# Altium PCB H-Watch.PcbDoc (part 2 of 2)
Units mm, origin at the board's own origin, x right, y up, seen from the top; angles counter-clockwise.
Board outline 36.07 x 35.94 mm, 6 copper layers (Top Layer, Int1 (GND), Int2 (Sign), Int3 (GND), Int4 (PWR), Bottom Layer), stack 0.734 mm thick; 123 components, 87 nets, 877 pads, 180 vias.
Unrouted connection lines stored in the file: 51.
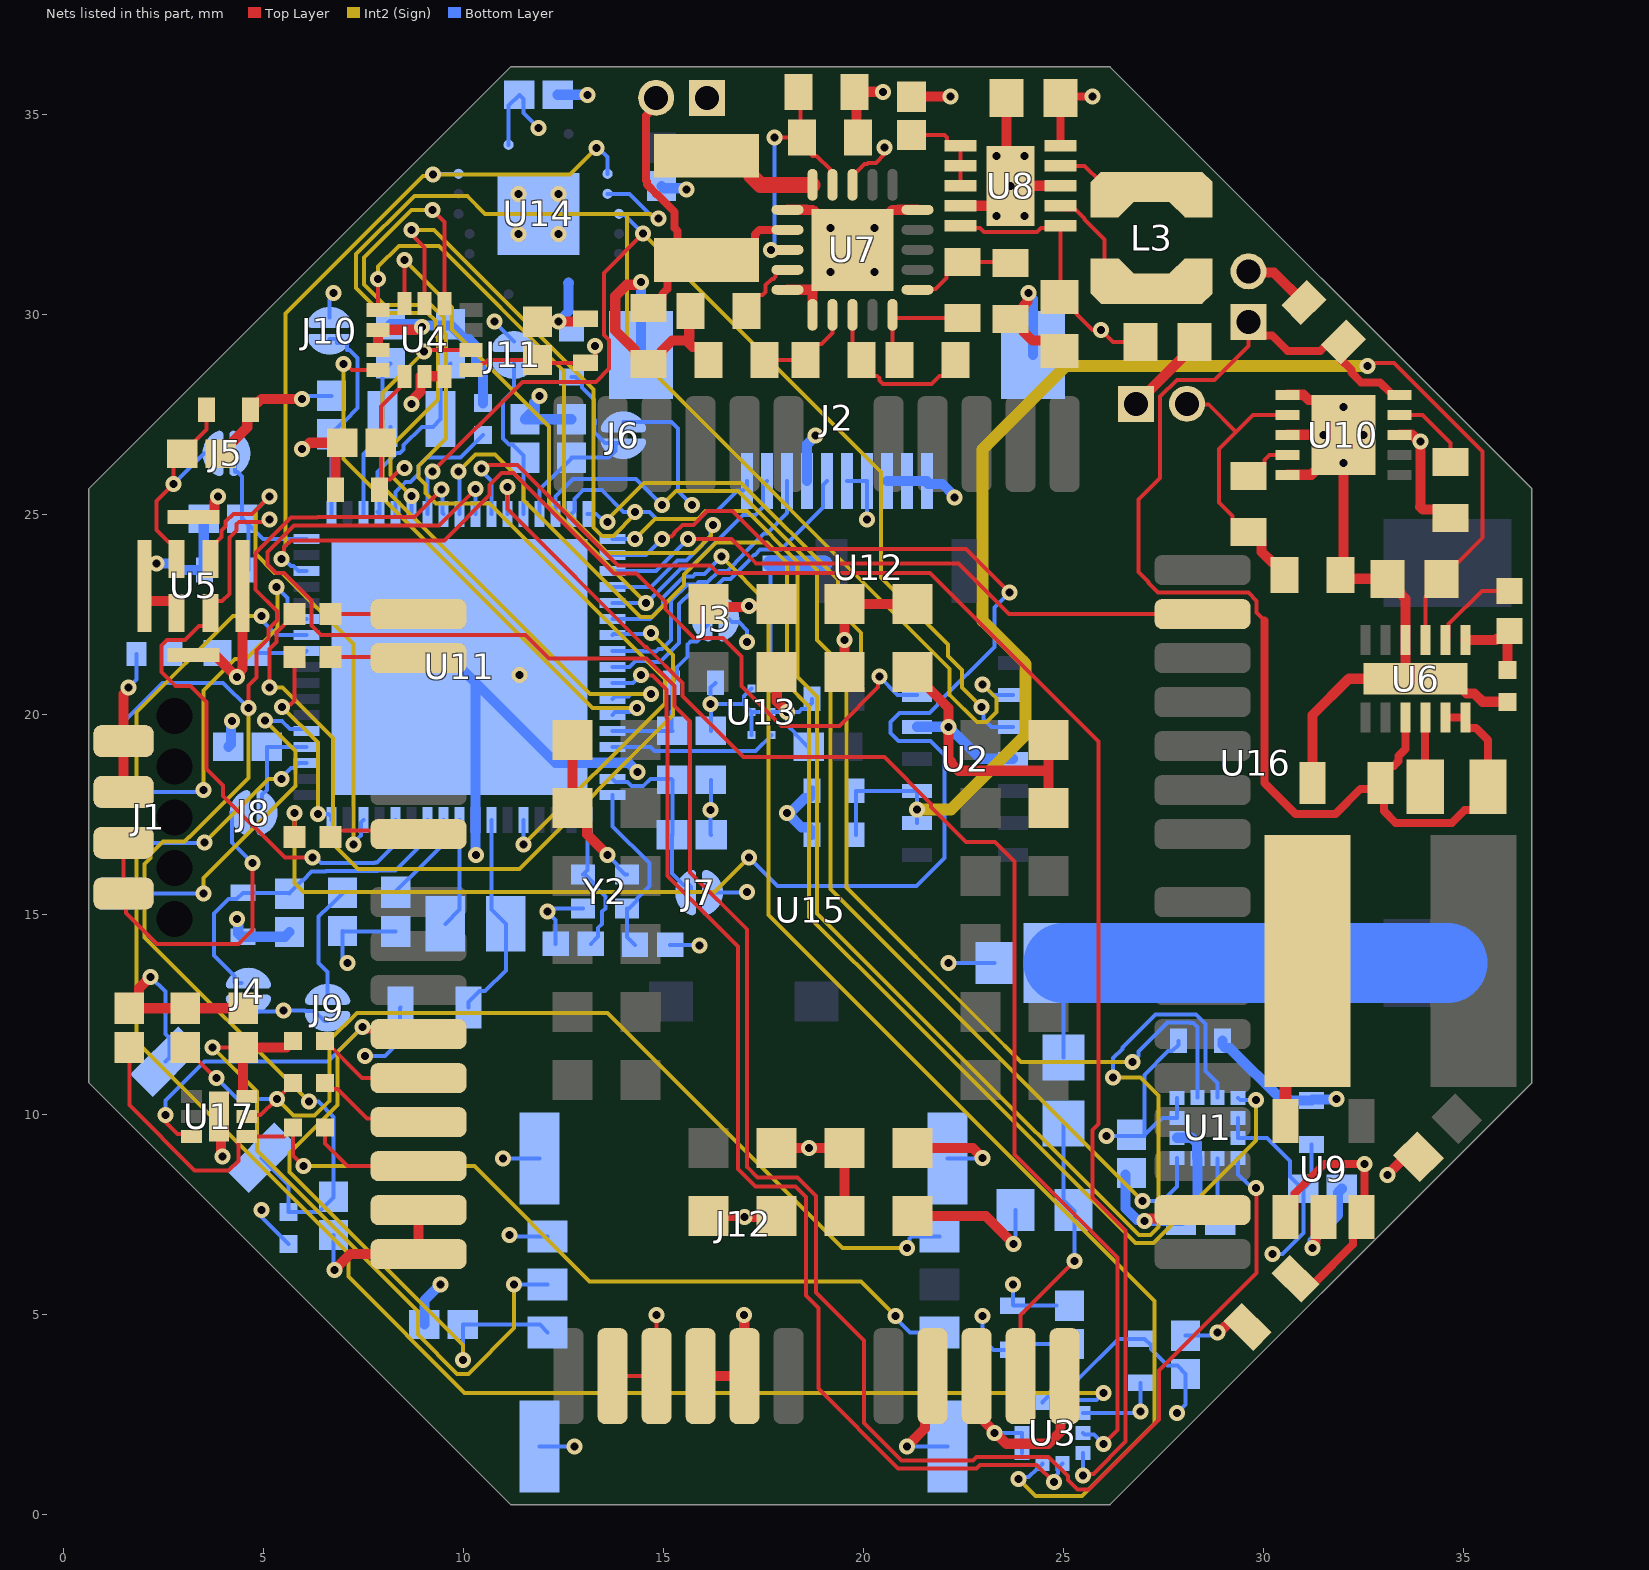
[diagram p6: the nets of this part, all layers, seen from the top]

## Via types
v1: diameter 0.4, hole 0.2, Top Layer to Bottom Layer, tented both sides, 166 vias
v2: diameter 0.5, hole 0.2, Top Layer to Bottom Layer, tented both sides, 8 vias
v3: diameter 0.45, hole 0.2, Top Layer to Bottom Layer, tented both sides, 5 vias
v4: diameter 0.4, hole 0.2, Top Layer to Bottom Layer, 1 vias

## Nets (pads, with @x,y where several pads share a name; then routed paths per layer and width w, separated by ;. In a path a pad name is that pad's centre, name@x,y a point inside that pad or via, vN(x,y) a via of type N, cw(c..) or ccw(c..) an arc to the next point about the centre after c; other vN are vias at no path point) (continued)
3V3: C3.2 C4.2 C5.2 C6.2 C10.2 C11.2 C12.2 C13.2 C14.2 C15.2 C16.2 C17.2 C18.2 C19.2 C28.2 C29.2 C36.2 J1.5 J1.6 J2.6 J2.7 J3.2 J4.2 J5.2 J6.2 J7.2 J8.2 J9.2 J10.2 J11.2 R10.2 U1.2 U1.3 U1.9 U1.10 U3.1 U3.10 U4.5 U4.8 U5.1 U8.1 U8.10 U14.14 U15.45 U15.46 | length 66.6
  Top Layer w0.1: J1.6@1.5,16.8 J1.5@1.5,15.53 1.561,15.469 1.561,15.039 2.331,14.269 4.369,14.269 4.725,14.625 v1(4.725,16.289) ; U5.1@2.825,23.9 2.825,24.175 2.675,24.325 2.625,24.325 2.325,24.625 2.325,25.345 v1(2.75,25.77) 2.75,26.305 C19.2@2.97,26.525 2.99,26.525 3.3,26.835 3.3,26.855 3.575,27.13 C18.2@3.575,27.625 ; C16.2@7.93,25.655 C16.2@7.93,25.755 ; v1(8.523,26.17) 8.445,26.17 8.16,25.885 8.06,25.885 C16.2@7.93,25.755 ; U4.5@8.525,28.463 8.4,28.337 8.4,28.175 7.93,27.705 C17.2@7.93,26.8 C16.2@7.93,25.755 ; U4.8@10.188,28.625 10.3,28.625 10.475,28.8 10.537,28.8 10.607,28.87 C15.2@11.85,28.87 11.92,28.8 13.129,28.8 13.289,28.96 v1(13.289,29.225) ; U15.45@13.725,3.469 U15.46@14.825,3.469 v1(14.825,5) ; U8.10@22.425,32.225 22.479,32.171 22.916,32.171 23.013,32.075 24.337,32.075 24.434,32.171 24.871,32.171 U8.1@24.925,32.225 24.925,30.475 C28.2@24.9,30.45 24.95,30.45 25.325,30.075 25.325,30.025 25.725,29.625 v1(25.932,29.625) 26.232,29.325 C29.2@26.925,29.325
  Bottom Layer w0.1: v1(2.75,25.77) 3.514,26.534 J5.2@3.735,26.534 J5.2@3.737,26.534 J5.2@3.742,26.534 J5.2@3.747,26.534 J5.2@3.752,26.534 J5.2@3.76,26.534 J5.2@3.765,26.534 J5.2@3.772,26.534 J5.2@3.785,26.534 J5.2@3.797,26.534 J5.2@3.81,26.534 J5.2@3.822,26.534 J5.2@3.835,26.534 J5.2@3.847,26.534 J5.2@3.86,26.534 ; J8.2@4.213,17.55 4.213,16.801 v1(4.725,16.289) ; J4.2@4.6,12.588 5.482,12.588 v1(5.5,12.605) 6.036,12.605 6.041,12.6 6.265,12.6 6.52,12.345 J9.2@6.6,12.345 ; v1(4.952,7.625) 4.952,7.448 R10.2@5.625,6.775 ; J10.2@6.65,29.937 6.65,30.369 6.75,30.469 v1(6.75,30.55) ; v1(10.775,29.83) 10.76,29.83 J11.2@11.257,29.333 ; U14.14@11.125,34.25 11.125,35.23 C36.2@11.395,35.5 11.501,35.394 11.501,35.049 v1(11.875,34.675) ; J6.2@13.998,27.325 15.2,27.325 15.362,27.163 15.362,25.6 v1(15.712,25.25) ; J7.2@16.225,15.554 17.079,15.554 v1(17.089,15.564) ; J3.2@16.632,22.4 16.714,22.319 16.881,22.319 17.089,22.111 v1(17.089,21.823) ; J2.6@19.589,25.845 J2.7@20.089,25.845 v1(20.089,24.882) ; v1(22.975,4.969) 22.975,4.4 23.25,4.125 C10.2@23.725,4.125 ; U3.10@23.991,2.579 U3.10@23.962,2.55 23.962,3.965 23.803,4.125 C10.2@23.725,4.125 ; U3.1@24.475,2.813 24.475,2.825 24.65,3 24.65,3.062 24.955,3.367 25.342,3.367 26.375,4.4 C12.2@26.925,4.4 27.025,4.4 27.185,4.24 27.185,4.14 27.599,3.726 27.844,3.726 C13.2@28.05,3.52 28.05,2.762 v1(27.837,2.55) ; C11.2@24.825,4.25 24.825,4.27 23.87,4.27 C10.2@23.725,4.125 ; v1(26.075,9.475) 27.02,9.475 27.025,9.48 C6.2@27.025,9.5 ; U1.10@27.837,10.425 U1.9@27.837,9.925 27.47,9.925 27.355,9.81 27.335,9.81 C6.2@27.025,9.5 ; C3.2@27.875,11.85 27.875,11.75 27.715,11.59 27.615,11.59 27.025,11 C6.2@27.025,9.5 ; U1.2@29.362,9.925 U1.3@29.362,9.425 30.085,9.425 30.665,8.845 30.665,8.46 30.975,8.15 C4.2@30.995,8.15 ; v1(30.226,6.525) 30.477,6.525 30.995,7.043 C4.2@30.995,8.15 ; C5.2@31.2,9.26 31.2,8.355 C4.2@30.995,8.15
5V: C8.2 C9.2 C23.2 U2.9 U2.10 U6.9 | length 34.1
  Top Layer w0.1: v1(32.595,28.72) 32.652,28.777 32.781,28.777 32.804,28.8 33.263,28.8 35.476,26.587 35.476,24.426 34.875,23.825 34.825,23.825 34.45,23.45 C23.2@34.45,23.4 34.45,23.35 34.05,22.95 U6.9@34.05,21.87
  Int2 (Sign) w0.3: v1(21.339,17.63) 22.182,17.63 24.05,19.498 24.05,21.276 22.975,22.351 22.975,26.645 25.05,28.72 v1(32.595,28.72)
  Bottom Layer w0.1: C9.2@19.814,17 C8.2@19.814,18.1 U2.10@21.339,18.1 v1(21.339,17.63) U2.9@21.339,17.3
DISP_CS: J2.3 U11.25 | length 7.2
  Bottom Layer w0.1: U11.25@13.725,21.6 14.489,21.6 14.502,21.588 14.815,21.588 14.877,21.65 14.957,21.65 15.18,21.873 15.18,22.638 15.189,22.647 15.189,22.852 15.598,23.262 15.818,23.262 15.874,23.319 16.101,23.319 16.382,23.6 16.595,23.6 17,24.005 17,24.024 17.509,24.533 17.58,24.533 18.089,25.042 J2.3@18.089,25.845
DISP_ON/OFF: J2.5 U11.26 | length 8.2
  Bottom Layer w0.1: U11.26@13.725,21.2 14.152,21.2 14.294,21.342 14.584,21.342 14.6,21.325 14.915,21.325 15.38,21.79 15.38,22.455 15.389,22.464 15.389,22.77 15.681,23.062 15.936,23.062 15.993,23.119 16.216,23.119 16.497,23.4 16.677,23.4 17.2,23.922 17.2,23.941 17.258,24 17.28,24 17.408,24.128 17.938,24.128 18.989,25.18 18.989,25.745 J2.5@19.089,25.845
GND: C1.1 C2.1 C3.1 C4.1 C5.1 C6.1 C7.1 C8.1 C9.1 C10.1 C11.1 C12.1 C13.1 C14.1 C15.1 C16.1 C17.1 C18.1 C19.1 C20.1 C21.2 C22.2 C23.1 C24.1 C25.1 C26.1 C27.1 C28.1 C29.1 C30.1 C31.1 C32.1 C33.1 C34.1 C35.1 C36.1 C37.1 C38.2 C39.1 C40.1 C41.1 C42.1 C43.1 C44.1 C45.1 C46.1 C47.1 C48.1 C49.1 C50.1 C51.1 C52.1 C53.1 C54.1 C55.1 C56.1 C57.1 C58.1 C59.1 C60.1 C61.1 C62.1 D1.1 J1.7 J1.8 J2.4 J2.8 J2.9 J2.10 J2.MP1 J2.MP2 J12.G1 J12.G2 J12.G3 J12.G4 J12.S4 R2.1 R6.1 R7.1 R9.2 R12.1 SW1.2 U1.6 U1.8 U2.4 U2.12 U3.3 U3.8 U3.9 U4.2 U4.3 U4.6 U4.7 U5.2 U5.5 U6.10 U6.13 U7.1 U7.5 U7.6 U7.15 U7.21 U8.3 U8.9 U8.11 U9.2 U10.1 U10.3 U10.5 U10.8 U10.11 U11.32 U11.42 U11.69 U13.2 U13.3 U13.4 U13.6 U14.7 U14.15 U15.2 U15.42 U15.43 U15.47 U15.48 U15.51 U15.52 U15.54 U15.59 U15.60 U15.61 U15.62 U15.63 U15.64 U15.65 U15.66 U15.71 U15.72 U15.73 U15.74 U15.81 U15.82 U15.83 U15.92 U15.93 U15.94 U17.7 X1.1 X2.1 X3.2 Y2.2 Y2.4 | length 192.8
  Top Layer w0.254: J1.7@1.5,18.07 J1.8@1.5,19.34 1.5,20.516 1.625,20.641 v1(1.625,20.68) ; v1(2.175,13.45) 1.886,13.161 1.886,12.908 C60.1@1.643,12.665 C62.1@4.488,12.665 ; v1(2.325,23.778) 2.073,23.778 2.025,23.73 U5.5@2.025,23.225 2.025,22.888 2.073,22.84 2.752,22.84 2.825,22.767 U5.2@2.825,22.55 ; U5.5@3.25,21.5 3.298,21.452 3.825,21.452 v1@4.325,20.952 ; U5.5@3.25,24.95 3.725,24.95 3.773,24.998 3.773,25.316 3.829,25.372 3.829,25.429 v1(3.857,25.457) ; U17.7@3.888,9.957 3.938,9.906 3.938,9.032 3.977,8.993 v1(3.977,8.954) ; C19.1@3.93,26.525 3.95,26.525 4.183,26.758 4.183,26.778 4.592,27.187 4.592,27.542 C18.1@4.675,27.625 4.675,27.725 4.758,27.808 4.858,27.808 4.945,27.895 v1(5.96,27.895) ; v1(4.34,20.946) 4.331,20.946 v1@4.325,20.952 ; U5.5@4.475,23.225 4.475,21.142 4.325,20.992 v1@4.325,20.952 ; v1(5.96,26.65) 6,26.65 6.149,26.8 C17.1@6.97,26.8 6.8,26.63 C16.1@6.8,25.625 ; v1(6.775,6.125) 7.169,6.519 U15.43@8.875,6.519 U15.42@8.875,7.619 ; U4.3@7.863,29.125 U4.2@7.863,29.625 8.844,29.625 8.919,29.7 v1(8.959,29.7) ; v1(8.7,27.775) 8.7,27.815 8.773,27.888 8.773,27.927 8.927,28.081 8.927,28.463 U4.6@9.025,28.463 U4.7@9.525,28.463 ; C15.1@11.85,29.83 v1(12.375,29.83) 12.98,29.83 C14.1@13.05,29.9 ; U15.65@12.725,19.369 U15.66@12.725,17.669 13.093,17.301 13.093,17.007 v1(13.6,16.5) ; v1(14.439,30.825) 14.399,30.825 14.326,30.752 14.081,30.752 13.791,30.462 13.791,29.609 14.302,29.098 14.302,28.998 14.525,28.775 C24.1@14.625,28.775 14.725,28.775 14.948,28.998 14.948,29.091 15.21,29.353 15.575,29.353 ; C25.1@15.675,30.1 15.64,30.065 15.64,29.418 15.575,29.353 ; U15.47@15.925,3.469 U15.48@17.025,3.469 17.015,3.479 17.015,4.99 v1(17.006,5) ; U15.71@16.125,7.469 17.006,7.469 v1(17.025,7.45) 17.806,7.45 U15.72@17.825,7.469 ; U15.64@16.125,22.769 16.203,22.691 17.114,22.691 v1(17.138,22.715) 17.771,22.715 U15.63@17.825,22.769 ; R6.1@16.125,28.875 16.125,28.975 15.902,29.198 15.73,29.198 15.575,29.353 ; U15.92@17.825,9.169 v1(18.64,9.169) 19.376,9.169 19.525,9.02 U15.73@19.525,7.469 ; U15.83@17.825,21.069 17.827,21.067 17.827,20.337 v1(18.089,20.075) ; U7.5@18.1,30.625 U7.21@18.725,30.625 ; U7.1@18.1,32.625 18.577,32.625 18.579,32.623 18.727,32.623 v2(19.175,32.175) U7.21@19.725,31.625 20.723,32.623 20.871,32.623 20.873,32.625 U7.15@21.35,32.625 ; U7.6@18.725,30 U7.21@18.725,30.625 ; v2(19.175,31.075) U7.21@18.725,30.625 ; U15.82@19.525,21.069 v1(19.525,21.87) U15.62@19.525,22.769 U15.61@21.225,22.769 ; C22.2@19.825,34.375 19.825,35.525 C21.2@19.775,35.575 v1(20.488,35.575) ; v1(21.089,1.712) 21.537,2.161 21.537,3.281 U15.51@21.725,3.469 ; C27.1@21.2,35.455 v1(22.174,35.455) ; U15.74@21.225,7.469 23.054,7.469 v1(23.748,6.775) ; U15.94@21.225,9.169 22.731,9.169 v1(22.975,8.925) ; U15.81@21.225,21.069 22.125,20.169 v1(22.125,19.7) 22.125,18.895 22.198,18.822 22.198,18.775 22.373,18.6 24.625,18.6 ; U8.9@22.425,32.725 23.202,32.725 23.675,33.198 v3(23.675,33.225) ; U15.52@22.825,3.469 23.036,3.258 23.036,2.309 23.57,1.775 24.625,1.775 24.924,2.074 24.924,3.368 U15.54@25.025,3.469 ; C26.1@23.575,35.425 23.575,33.325 v3(23.675,33.225) ; R7.1@23.675,29.9 R7.1@23.775,29.9 ; v1(24.125,30.55) 24.097,30.522 24.097,30.322 23.998,30.223 23.998,30.123 R7.1@23.775,29.9 ; U15.59@24.625,17.669 24.625,18.6 ; U15.60@24.625,19.369 24.625,18.6 ; C28.1@24.9,29.1 24.647,29.353 24.222,29.353 23.998,29.577 23.998,29.677 R7.1@23.775,29.9 ; U8.3@24.925,33.225 v3(23.675,33.225) ; X2.1@26.815,27.775 27.977,28.937 27.977,29.027 C29.1@28.275,29.325 ; v1(27.026,7.342) 27.065,7.342 27.131,7.408 28.264,7.408 U15.2@28.475,7.619 ; v1(28.85,4.563) 28.89,4.563 29.026,4.699 29.036,4.699 29.178,4.84 29.458,4.84 C30.1@29.599,4.699 ; X3.2@29.625,31.085 29.656,31.054 30.261,31.054 C32.1@31.005,30.31 ; U10.5@30.595,26 31.195,26 31.495,26.3 v2(31.995,26.3) 31.995,23.57 C33.1@31.925,23.5 32.025,23.4 C23.1@33.1,23.4 33.1,23.35 33.398,23.052 33.401,23.052 33.55,22.903 U6.10@33.55,21.87 33.55,21.15 U6.13@33.8,20.9 ; U10.3@30.595,27 v2(31.495,27) U10.11@31.995,27 31.995,27.2 31.322,27.873 31.122,27.873 30.995,28 U10.1@30.595,28 ; v1(31.225,6.669) 31.225,6.709 31.302,6.786 31.302,7.252 U9.2@31.5,7.45 ; C20.1@31.225,18.3 31.225,19.993 32.132,20.9 U6.13@33.8,20.9 ; v1(33.1,8.5) 33.548,8.948 C31.1@33.873,8.948 ; U10.8@33.395,27 33.713,27 33.887,26.826 v1(33.927,26.826) 33.927,25.214 33.912,25.2 33.984,25.128 34.472,25.128 R9.2@34.675,24.925 ; R2.1@36.1,20.325 35.476,20.325 35.269,20.532 35.073,20.532 34.705,20.9 U6.13@33.8,20.9
  Bottom Layer w0.1: v1(1.625,20.68) 1.825,20.88 D1.1@1.825,21.525 ; v1(2.175,13.45) 2.548,13.077 2.548,12.022 2.648,11.922 2.648,11.427 SW1.2@2.548,11.327 ; v1(5.96,27.895) 6.041,27.895 6.121,27.975 C55.1@6.7,27.975 ; C34.1@6.75,6.995 6.75,6.15 v1(6.775,6.125) ; v1(7.1,13.8) 6.975,13.925 C53.1@6.975,14.594 6.985,14.584 C54.1@8.3,14.584 ; v1(7.537,11.469) 8.031,11.469 8.412,11.85 8.412,12.669 C39.1@8.425,12.682 ; v1(10.985,8.912) J12.G3@11.9,8.913 ; v1(11.153,6.995) 11.185,6.963 J12.S4@12.1,6.963 ; J12.G4@11.9,1.712 v1(12.775,1.712) ; C40.1@12.299,14.274 12.299,14.87 12.1,15.069 v1(12.1,15.078) 12.181,15.078 12.265,15.162 Y2.4@12.989,15.162 ; v1(13.6,16.5) 13.839,16.262 13.839,16.212 14.039,16.012 Y2.2@14.089,16.012 ; C41.1@15.166,14.25 15.887,14.25 v1(15.903,14.234) ; C50.1@16.18,18.375 16.18,17.63 v1(16.175,17.625) 16.175,17.015 C51.1@16.19,17 ; C43.1@16.18,19.6 16.18,20.264 v1(16.175,20.269) ; C42.1@16.295,20.8 16.175,20.68 v1(16.175,20.269) ; U13.6@17.2,19.488 U13.4@17.2,20.075 ; U13.2@17.2,20.662 17.006,20.468 17.006,20.269 ; C2.1@18.634,19.2 18.614,19.2 18.304,19.51 18.304,19.53 18.089,19.745 v1(18.089,20.075) ; C1.1@18.714,20.4 18.714,20.3 18.554,20.14 18.454,20.14 18.389,20.075 v1(18.089,20.075) ; v1(21.089,1.712) J12.G1@22.1,1.712 ; J12.G2@22.1,8.913 22.963,8.913 v1(22.975,8.925) ; v1(22.125,13.8) C58.1@23.275,13.8 ; v1(23.275,2.05) U3.9@23.962,2.05 U3.8@23.962,1.55 ; v1(23.739,5.763) 23.739,5.239 23.748,5.23 C11.1@24.825,5.23 ; v1(23.748,6.775) 23.8,6.827 C57.1@23.8,7.619 ; U3.3@25.488,2.55 26.896,2.55 v1(26.925,2.579) C12.1@26.925,3.3 ; C13.1@28.05,4.48 v1@28.686,4.48 ; v1(16.175,20.269) 17.006,20.269 ; 17.006,20.269 U13.4@17.2,20.075 ; U13.4@17.2,20.075 U13.3@17.7,20.075 v1(18.089,20.075)
  Bottom Layer w0.254: v1(2.325,23.778) 2.75,23.778 2.911,23.617 C46.1@3.522,23.617 3.504,23.636 C47.1@3.504,24.9 ; C52.1@4.12,19.2 4.185,19.265 4.185,19.818 v1(4.213,19.846) ; v1(4.34,14.895) 4.368,14.867 4.368,14.532 4.451,14.449 C44.1@4.484,14.449 5.53,14.449 C45.1@5.65,14.569 ; C37.1@8.175,29.765 8.854,29.765 8.919,29.7 v1(8.959,29.7) 8.987,29.728 9.692,29.728 10.028,29.392 10.129,29.392 10.309,29.212 10.309,28.826 10.489,28.646 R12.1@10.489,27.789 ; C59.1@9.02,4.757 9.02,5.358 v1(9.425,5.763) ; U11.69@9.9,21.2 U11.69@10.3,20.8 ; v1(10.309,16.5) 10.3,16.509 U11.42@10.3,17.375 U11.69@10.3,20.8 ; v1(11.9,27.975) 11.9,27.936 11.765,27.801 11.765,27.622 C56.1@11.532,27.389 C49.1@12.7,27.389 ; C36.1@12.355,35.5 v1(13.1,35.5) ; v1(12.375,29.83) 12.625,30.08 U14.7@12.625,30.8 ; v1(14.347,18.569) 14.347,18.578 14.125,18.8 U11.32@13.725,18.8 12.3,18.8 U11.69@10.3,20.8 ; J2.MP1@14.439,28.995 v1(14.439,30.825) ; C35.1@14.95,33.22 15.007,33.163 15.547,33.163 v1(15.575,33.135) ; J2.4@18.589,25.845 18.589,26.766 18.8,26.977 v1(18.8,26.988) ; C9.1@18.714,17 18.714,17.1 18.631,17.183 18.456,17.183 v1(18.089,17.55) 18.117,17.578 18.192,17.578 18.531,17.917 18.631,17.917 18.714,18 C8.1@18.714,18.1 ; J2.8@20.589,25.845 J2.9@21.089,25.845 J2.10@21.589,25.845 21.589,25.794 21.612,25.771 21.971,25.771 22.275,25.467 v1(22.275,25.431) ; U2.12@21.339,19.7 v1(22.125,19.7) 22.925,18.9 U2.4@23.739,18.9 ; J2.MP2@24.239,28.995 v1@24.239,30.396 ; C6.1@26.549,8.5 26.549,7.663 26.842,7.37 26.998,7.37 v1(27.026,7.342) ; v1@27.025,7.35 C7.1@27.935,7.35 27.955,7.35 28.188,7.583 28.188,7.612 28.308,7.732 28.308,7.804 28.35,7.846 U1.6@28.35,8.912 28.335,8.927 28.335,9.291 28.201,9.425 U1.8@27.837,9.425 ; C3.1@28.975,11.85 28.975,11.75 29.058,11.667 29.158,11.667 30.465,10.36 C5.1@31.2,10.36 31.22,10.38 31.805,10.38 v1(31.825,10.4) ; v1(31.225,6.669) 31.225,6.855 31.865,7.494 31.865,8.06 C4.1@31.955,8.15
  other v1: 11.375,32.025 12.375,32.025 11.375,33.025 12.375,33.025
  other v2: 32.495,27 31.995,27.7 20.275,31.075 20.275,32.175
  other v3: 23.325,32.475 24.025,32.475 23.325,33.975 24.025,33.975
  other v4: 11.395,20.992
I2C1_SCL: U2.2 U11.6 U14.3 | length 37.1
  Int2 (Sign) w0.1: v1(8.701,25.472) 8.173,25.999 8.173,26.698 9.358,27.882 9.358,29.421 9.309,29.47 9.309,29.845 9.104,30.05 7.935,30.05 7.312,30.672 7.312,31.515 8.77,32.973 10.092,32.973 10.54,32.525 14.089,32.525 ; v1(14.877,32.406) 14.796,32.406 14.678,32.525 14.089,32.525 ; v1(22.975,20.763) 23.325,20.413 23.325,20.074 23.07,19.819 22.83,19.819 22.154,20.495 22.154,21.149 14.089,29.214 14.089,32.525
  Bottom Layer w0.1: U11.6@8.7,25.025 v1(8.701,25.472) ; U14.3@13.6,33.025 14.146,33.025 14.673,32.497 ; v1(22.975,20.763) 23.238,20.5 U2.2@23.739,20.5
I2C1_SDA: U2.3 U11.7 U14.4 | length 27.7
  Top Layer w0.1: v1(9.223,26.077) 11.471,28.325 13.307,28.325 13.639,28.657 13.639,29.369 13.51,29.498 13.51,31.05 v1(14.486,32.026)
  Int2 (Sign) w0.1: v1(14.486,32.026) 20.439,26.073 20.439,23.436 22.115,21.761 22.115,21.471 22.465,21.121 22.465,20.679 v1(22.95,20.194)
  Bottom Layer w0.1: U11.7@9.1,25.025 9.1,26.019 9.165,26.019 v1(9.223,26.077) ; U14.4@13.885,32.525 13.914,32.496 14.018,32.496 14.486,32.028 v1(14.486,32.026) ; v1(22.95,20.194) 22.997,20.147 22.997,19.896 23.194,19.7 U2.3@23.739,19.7
I2C3_SCL: U1.1 U11.9 | length 38.7
  Int2 (Sign) w0.1: v1(9.875,26.079) 10.298,26.501 10.791,26.501 11.499,25.794 11.499,25.371 14.419,22.45 14.709,22.45 15.507,23.248 15.507,23.503 16.306,24.301 17.589,24.301 18.089,23.801 18.089,20.763 18.64,20.212 18.64,14.95 20.949,12.641 26.798,6.792 27.254,6.792 29.813,9.352 v1(29.813,10.369)
  Bottom Layer w0.1: v1(9.875,26.079) 9.9,26.054 U11.9@9.9,25.025 ; U1.1@29.362,10.425 29.418,10.369 v1(29.813,10.369)
I2C3_SDA: U1.4 U11.10 | length 56.3
  Top Layer w0.1: v1(10.3,25.638) 9.391,24.729 5.765,24.729 5.1,24.064 5.1,23.755 5.305,23.55 5.506,23.55 6.2,22.856 6.2,22.232 6.438,21.994 11.552,21.994 12.136,21.41 14.575,21.41 15.27,20.715 15.27,20.224 15.66,19.833 15.66,16.06 17.092,14.629 17.092,8.69 17.346,8.436 18.353,8.436 18.814,7.975 18.814,5.558 20.014,4.357 20.014,2.292 20.944,1.362 22.738,1.362 22.826,1.45 24.619,1.45 25.105,0.964 25.105,0.875 25.343,0.638 25.641,0.638 27.381,2.378 27.381,3.606 29.825,6.05 29.825,8.157 v1(29.813,8.169)
  Bottom Layer w0.1: U11.10@10.3,25.025 v1(10.3,25.638) ; U1.4@29.362,8.925 29.362,8.513 29.649,8.226 29.756,8.226 v1(29.813,8.169)
LPS22HB_CS: U3.6 U11.27 | length 28.7
  Top Layer w0.1: v1(14.439,20.992) 14.45,20.98 14.722,20.98 15.07,20.632 15.07,19.936 15.1,19.906 15.1,15.97 16.858,14.212 16.858,8.641 17.297,8.202 18.304,8.202 18.558,7.948 18.558,5.48 18.868,5.17 18.868,3.156 20.861,1.162 22.821,1.162 22.908,1.25 24.324,1.25 v1(24.755,0.819)
  Bottom Layer w0.1: U11.27@13.725,20.8 14.23,20.8 14.422,20.992 v1(14.439,20.992) ; v1(24.755,0.819) 24.813,0.877 24.813,0.988 24.856,1.031 24.856,1.169 U3.6@24.975,1.288
LPS22HB_INT: U3.7 U11.23 | length 34.7
  Int2 (Sign) w0.1: v1(16.451,23.951) 17.627,22.774 17.627,14.997 27.275,5.349 27.275,2.28 25.464,0.469 24.301,0.469 v1(23.87,0.9)
  Bottom Layer w0.1: U11.23@13.725,22.4 14.659,22.4 14.989,22.73 14.989,22.935 15.515,23.462 15.735,23.462 15.792,23.519 16.018,23.519 v1(16.451,23.951) ; v1(23.87,0.9) 23.909,0.939 24.126,0.939 24.338,1.15 24.35,1.15 24.475,1.275 U3.7@24.475,1.288
LPS22HB_MISO: U3.5 U11.11 | length 39.4
  Top Layer w0.1: v1(10.451,26.151) 10.532,26.151 10.63,26.25 11.349,26.25 13.864,23.735 16.172,23.735 16.361,23.546 21.66,23.546 25.877,19.329 25.877,9.772 25.725,9.62 25.725,7.933 26.55,7.108 26.55,1.83 25.745,1.025 25.525,1.025 v1(25.488,0.988)
  Bottom Layer w0.1: v1(10.451,26.151) 10.451,26.091 10.7,25.842 U11.11@10.7,25.025 ; v1(25.488,0.988) U3.5@25.488,1.55
LPS22HB_MOSI: U3.4 U11.12 | length 34.2
  Top Layer w0.1: v1(11.097,25.7) 11.097,25.139 14.535,21.701 14.567,21.701 15.475,20.792 15.475,20.474 17.002,18.947 20.517,18.947 21.689,17.775 21.689,17.693 22.563,16.819 23.287,16.819 23.775,16.331 23.775,9.008 26.35,6.433 26.35,2.125 v1(26,1.775)
  Bottom Layer w0.1: v1(11.097,25.7) 11.1,25.697 U11.12@11.1,25.025 ; U3.4@25.488,2.05 25.529,2.009 25.766,2.009 v1(26,1.775)
LPS22HB_SCK: U3.2 U11.62 | length 43
  Int2 (Sign) w0.1: v1(4.95,22.472) 4.234,22.472 1.825,20.063 1.825,11.833 7.125,6.533 7.125,5.952 10.027,3.05 v1(26,3.05)
  Bottom Layer w0.1: v1(4.95,22.472) 5,22.422 5,22.319 5.319,22 U11.62@6.075,22 ; U3.2@24.975,2.813 25.038,2.875 25.825,2.875 v1(26,3.05)
LSM6DSM_CS: U4.12 U11.39 | length 26.6
  Top Layer w0.1: v1(9.223,32.623) 9.525,32.321 U4.12@9.525,30.288
  Int2 (Sign) w0.1: v1(9.223,32.623) 8.703,32.623 7.513,31.432 7.513,30.755 8.017,30.25 9.186,30.25 9.509,29.928 9.509,29.553 9.558,29.504 9.558,26.906 8.873,26.222 8.873,25.932 9.051,25.755 9.051,25.54 9.308,25.283 10.642,25.283 15.035,20.89 15.035,20.286 v1(11.5,16.751)
  Bottom Layer w0.1: v1(11.5,16.751) U11.39@11.5,17.375
LSM6DSM_INT1: U4.4 U11.29 | length 13.9
  Top Layer w0.1: v1(7.003,28.772) 7.064,28.772 7.212,28.625 U4.4@7.863,28.625
  Int2 (Sign) w0.1: v1(7.003,28.772) 7.003,26.391 13.225,20.169 v1(14.331,20.169)
  Bottom Layer w0.1: U11.29@13.725,20 13.79,20.065 14.145,20.065 14.249,20.169 v1(14.331,20.169)
LSM6DSM_INT2: U4.9 U11.28 | length 14.9
  Top Layer w0.1: v1(9.008,29.076) 9.057,29.125 U4.9@10.188,29.125
  Int2 (Sign) w0.1: v1(9.008,29.076) 7.973,28.042 7.973,25.704 13.155,20.522 v1(14.685,20.522)
  Bottom Layer w0.1: U11.28@13.725,20.4 13.785,20.46 14.127,20.46 14.186,20.519 14.682,20.519 v1(14.685,20.522)
LSM6DSM_MISO: U4.1 U11.21 | length 18.5
  Top Layer w0.1: U4.1@7.863,30.125 v1(7.863,30.9)
  Int2 (Sign) w0.1: v1(7.863,30.9) 7.863,31.202 8.38,31.72 9.38,31.72 12.505,28.595 12.505,25.143 13.597,24.05 15.757,24.05 16.19,24.482 16.19,24.679 16.233,24.723 v1(16.233,24.742)
  Bottom Layer w0.1: U11.21@13.725,23.2 14.688,23.2 15.35,23.862 15.569,23.862 16.168,24.46 16.168,24.679 16.17,24.679 v1(16.233,24.742)
LSM6DSM_MOSI: J2.2 U4.14 U11.22 | length 17.6
  Top Layer w0.1: U4.14@8.525,30.288 v1(8.525,31.37)
  Int2 (Sign) w0.1: v1(8.525,31.37) 9.709,30.186 9.709,29.636 12.136,27.208 12.136,25.228 v1(14.564,22.8)
  Bottom Layer w0.1: U11.22@13.725,22.8 v1(14.564,22.8) 14.571,22.8 15.433,23.662 15.652,23.662 16.986,24.995 17.301,24.995 17.389,25.083 17.389,25.094 17.489,25.194 17.489,25.745 J2.2@17.589,25.845
LSM6DSM_SCK: J2.1 U4.13 U11.16 | length 18.6
  Top Layer w0.1: v1(8.7,32.125) 8.7,32.008 9.025,31.683 U4.13@9.025,30.288
  Int2 (Sign) w0.1: v1(8.7,32.125) 9.258,32.125 13.25,28.133 13.25,24.68 13.455,24.475 13.745,24.475 14.286,25.016 v1(14.286,25.075)
  Bottom Layer w0.1: U11.16@12.7,25.025 12.775,25.1 12.775,25.399 12.989,25.613 13.459,25.613 13.998,25.075 v1(14.286,25.075) 14.644,25.075 14.819,24.9 15.888,24.9 16.08,25.092 16.335,25.092 16.848,25.604 16.989,25.604 17.089,25.704 J2.1@17.089,25.845
LSM303_INT1: U1.12 U11.18 | length 36.3
  Int2 (Sign) w0.1: v1(14.286,24.4) 14.786,24.9 15.857,24.9 16.049,25.092 17.081,25.092 18.35,23.823 18.35,20.947 18.84,20.457 18.84,15.033 21.775,12.098 26.881,6.992 27.171,6.992 27.376,7.197 27.376,10.476 26.92,10.932 v1(26.238,10.932)
  Bottom Layer w0.1: U11.18@13.725,24.4 v1(14.286,24.4) ; v1(26.238,10.932) 26.238,11.419 26.47,11.65 26.47,11.677 27.303,12.51 28.312,12.51 28.55,12.272 28.55,11.099 28.85,10.799 U1.12@28.85,10.438
LSM303_INT2: U1.11 U11.17 | length 28.7
  Int2 (Sign) w0.1: v1(13.6,24.825) 13.6,24.884 14.516,25.8 16.939,25.8 19.357,23.382 19.357,22.628 19.935,22.051 19.935,21.389 19.575,21.029 19.575,15.68 23.092,12.163 23.933,11.322 v1(26.723,11.322)
  Bottom Layer w0.1: U11.17@13.1,25.025 13.317,25.025 13.459,24.882 13.543,24.882 v1(13.6,24.825) ; v1(26.723,11.322) 26.876,11.476 26.876,11.583 27.603,12.31 28.147,12.31 28.16,12.297 28.242,12.297 28.35,12.189 U1.11@28.35,10.438
LSM303_INT_MAG: U1.7 U11.15 | length 29.3
  Int2 (Sign) w0.1: v1(14.964,25.25) 15.314,25.6 16.856,25.6 18.84,23.616 18.84,21.87 19.175,21.535 19.175,15.641 22.58,12.237 v1(26.976,7.84)
  Bottom Layer w0.1: U11.15@12.3,25.025 12.3,25.459 12.74,25.899 14.315,25.899 v1(14.964,25.25) ; v1(26.976,7.84) 27.473,7.84 27.837,8.205 U1.7@27.837,8.925
MCU_LED0: R11.2 U11.61 | length 1.3
  Bottom Layer w0.1: R11.2@4.8,21.55 6.025,21.55 U11.61@6.075,21.6
MP34DT_CLK: U5.3 U11.47 | length 15.5
  Top Layer w0.1: v1(5.144,24.886) 5.144,24.884 5.085,24.825 4.795,24.825 4.793,24.824 4.384,24.824 4.325,24.765 4.325,24.612 4.15,24.437 4.15,23.025 3.966,22.841 3.825,22.841 3.675,22.691 U5.3@3.675,22.55 3.675,22.371 3.525,22.221 3.384,22.221 3.037,21.875 2.588,21.875 2.45,21.737 2.45,21.069 2.804,20.715 3.178,20.715 3.575,20.318 3.575,18.65 3.991,18.234 3.991,17.972 5.532,16.431 v1(6.225,16.431)
  Bottom Layer w0.1: v1(6.225,16.431) 6.291,16.431 6.434,16.289 7.77,16.289 7.785,16.304 7.835,16.304 8.3,16.769 U11.47@8.3,17.375
MP34DT_DOUT: U5.4 U11.49 | length 13.1
  Top Layer w0.1: U5.4@3.675,23.9 3.675,24.175 U5.4@3.825,24.325 ; U5.4@3.826,24.325 3.95,24.449 3.95,24.613 4.05,24.713 4.05,24.832 4.242,25.024 4.711,25.024 v1(5.144,25.457)
  Int2 (Sign) w0.1: v1(5.144,25.457) 4.794,25.107 4.794,24.03 5.274,23.55 5.464,23.55 7.25,21.764 v1(7.25,16.751)
  Bottom Layer w0.1: v1(7.25,16.751) 7.25,16.804 7.429,16.984 7.429,17.304 U11.49@7.5,17.375
NetC7_2: C7.2 U1.5 | length 1.6
  Bottom Layer w0.1: U1.5@28.85,8.912 28.85,7.415 C7.2@28.915,7.35
NetC24_2: C24.2 L2.1 U7.2 X1.2 | length 9.3
  Top Layer w0.2: C24.2@14.625,30.175 14.725,30.175 14.975,30.425 14.975,30.525 15.092,30.642 15.092,30.925 15.537,31.37 L2.1@15.792,31.37 ; X1.2@14.815,35.425 14.815,35.236 14.565,34.986 14.565,33.352 14.586,33.332 14.586,33.255 14.816,33.025 14.824,33.025 15.277,32.572 15.277,32.168 15.347,32.098 15.347,31.815 L2.1@15.792,31.37 ; U7.2@18.1,32.125 17.4,32.125 17.283,32.008 17.283,31.815 16.838,31.37 L2.1@16.075,31.37 L2.1@15.792,31.37
NetC25_2: C25.2 U7.4 | length 1.7
  Top Layer w0.1: C25.2@17.075,30.1 17.075,30.2 17.375,30.5 17.475,30.5 17.55,30.575 17.55,30.739 17.711,30.9 17.744,30.9 17.803,30.959 17.803,31.056 17.872,31.125 U7.4@18.1,31.125
NetC27_2: C27.2 U8.6 U8.7 U8.8 | length 2.4
  Top Layer w0.1: C27.2@21.2,34.495 22.026,34.495 22.084,34.436 22.084,34.315 22.174,34.225 U8.6@22.425,34.225 U8.7@22.425,33.725 U8.8@22.425,33.225
NetC33_2: C33.2 R8.1 U10.2 X2.2 | length 7.6
  Top Layer w0.1: X2.2@28.085,27.775 28.097,27.763 28.626,27.763 29.314,27.075 ; R8.1@29.625,24.575 29.525,24.575 29.225,24.875 29.225,24.975 28.89,25.31 28.89,26.65 29.314,27.075 ; U10.2@30.595,27.5 29.739,27.5 29.314,27.075
  Top Layer w0.254: R8.1@29.625,24.575 29.725,24.575 29.948,24.352 29.948,24.077 30.202,23.823 30.302,23.823 30.525,23.6 C33.2@30.525,23.5
NetC39_2: C39.2 L5.1 U11.41 | length 5.3
  Bottom Layer w0.1: C39.2@10.125,12.682 10.125,12.823 10.4,13.098 10.541,13.098 11.055,13.612 L5.1@11.055,14.774 10.7,15.129 U11.41@10.7,17.375
NetC42_2: C42.2 C43.2 J3.1 U11.30 | length 4.8
  Bottom Layer w0.1: U11.30@13.725,19.6 C43.2@15.22,19.6 15.195,19.625 15.195,20.086 15.227,20.119 15.227,20.767 C42.2@15.195,20.8 15.338,20.944 15.338,21.189 15.604,21.454 15.604,21.755 15.678,21.829 15.836,21.829 15.987,21.981 15.987,22.196 16.05,22.196 16.107,22.254 J3.1@16.107,22.4
NetC44_2: C44.2 C45.2 J4.1 U11.45 | length 8.7
  Bottom Layer w0.1: J4.1@4.451,13.29 4.302,13.29 4.269,13.322 4.269,13.469 3.76,13.978 3.76,15.03 4.119,15.389 4.324,15.389 C44.2@4.484,15.549 5.63,15.549 C45.2@5.65,15.529 5.65,15.549 5.96,15.859 5.98,15.859 6.202,16.081 6.55,16.081 6.557,16.089 7.852,16.089 7.868,16.104 8.299,16.104 9.1,16.906 U11.45@9.1,17.375
NetC46_2: C46.2 C47.2 J5.1 U11.68 | length 4.9
  Bottom Layer w0.1: J5.1@4.285,26.534 4.285,26.079 4.294,26.069 4.353,26.069 4.464,25.958 C47.2@4.464,24.9 ; C46.2@4.622,23.617 4.622,24.742 C47.2@4.464,24.9 ; U11.68@6.075,24.4 4.984,24.4 4.484,24.9 C47.2@4.464,24.9
NetC48_2: C48.2 C49.2 J6.1 U11.14 | length 5.7
  Bottom Layer w0.1: U11.14@11.9,25.025 11.9,25.629 12.37,26.099 12.39,26.099 12.7,26.409 C49.2@12.7,26.429 13.626,26.429 13.794,26.596 13.794,26.743 J6.1@13.851,26.8 ; C48.2@12.7,28.445 12.8,28.445 12.96,28.285 12.96,28.185 13.261,27.884 13.261,27.389 13.285,27.365 13.285,27.272 13.279,27.266 13.279,27.059 13.426,26.913 ; 13.426,26.913 13.539,26.8 J6.1@13.851,26.8 ; J6.1@13.998,26.8 J6.1@13.851,26.8
NetC50_2: C50.2 C51.2 J7.1 U11.33 | length 4.8
  Bottom Layer w0.1: U11.33@13.725,18.4 13.8,18.325 14.096,18.325 14.202,18.219 14.492,18.219 14.673,18.4 15.195,18.4 C50.2@15.22,18.375 15.22,17.01 C51.2@15.21,17 15.21,16.032 15.496,15.746 15.58,15.746 15.642,15.746 15.687,15.7 J7.1@15.687,15.554
NetC52_2: C52.2 J8.1 U11.55 | length 2.7
  Bottom Layer w0.1: J8.1@4.962,17.55 4.962,18.004 5.08,18.121 C52.2@5.08,19.2 U11.55@6.075,19.2
NetC53_2: C53.2 C54.2 J9.1 U11.44 | length 6.7
  Bottom Layer w0.1: J9.1@6.6,12.887 J9.1@6.6,12.9 J9.1@6.6,12.912 J9.1@6.6,12.925 J9.1@6.6,12.937 J9.1@6.6,12.95 J9.1@6.6,12.962 J9.1@6.6,12.975 J9.1@6.6,12.982 J9.1@6.6,12.987 J9.1@6.6,12.995 J9.1@6.6,13 J9.1@6.6,13.005 J9.1@6.6,13.01 J9.1@6.6,13.012 6.6,13.575 6.375,13.8 6.375,14.954 6.645,15.224 6.665,15.224 6.975,15.534 C53.2@6.975,15.554 6.985,15.564 C54.2@8.3,15.564 8.3,15.584 8.62,15.904 8.64,15.904 9.5,16.764 U11.44@9.5,17.375
NetC55_2: C55.2 J10.1 U11.1 | length 5.2
  Bottom Layer w0.1: J10.1@6.65,29.4 6.796,29.4 6.841,29.355 6.841,29.3 7.062,29.3 7.082,29.28 7.082,29.122 7.148,29.122 7.353,28.917 7.353,27.668 7.03,27.345 7.01,27.345 6.7,27.035 C55.2@6.7,27.015 U11.1@6.7,25.025
NetC56_2: C56.2 J11.1 U11.13 | length 4.1
  Bottom Layer w0.1: J11.1@11.257,28.783 J11.1@11.257,28.77 J11.1@11.257,28.758 J11.1@11.257,28.745 J11.1@11.257,28.733 J11.1@11.257,28.72 J11.1@11.257,28.708 J11.1@11.257,28.695 J11.1@11.257,28.688 J11.1@11.257,28.683 J11.1@11.257,28.675 J11.1@11.257,28.67 J11.1@11.257,28.665 J11.1@11.257,28.66 J11.1@11.257,28.658 11.257,28.121 10.985,27.849 10.985,26.912 11.138,26.759 11.222,26.759 11.5,26.481 U11.13@11.5,25.025
NetC57_2: C57.2 R13.1 U15.53 | length 7
  Top Layer w0.1: U15.53@23.925,3.469 23.925,5 v1(25.275,6.35)
  Bottom Layer w0.1: R13.1@25,9.782 25,7.869 C57.2@25.25,7.619 25.275,7.594 v1(25.275,6.35)
NetC58_2: C58.2 R13.2 U16.1 | length 2.5
  Bottom Layer w0.1: C58.2@24.725,13.8 25,13.525 R13.2@25,11.432
NetC60_2: C60.2 J12.S3 R19.2 U17.1 | length 25.7
  Top Layer w0.1: C60.2@1.643,11.685 1.643,10.239 3.279,8.604 4.122,8.604 4.368,8.849 4.368,9.347 4.478,9.457 U17.1@4.578,9.457 5.509,9.457 R19.2@5.734,9.682 5.734,8.985 v1(6,8.719)
  Int2 (Sign) w0.1: v1(6,8.719) 10.267,8.719 13.152,5.835 19.935,5.835 v1(20.8,4.969)
  Bottom Layer w0.1: v1(20.8,4.969) 20.8,4.925 21.162,4.563 J12.S3@21.9,4.563
NetC61_2: C61.2 J12.S6 R18.2 U17.2 | length 25.7
  Top Layer w0.1: C61.2@3.038,11.685 3.038,11.665 3.358,11.345 3.378,11.345 3.803,10.919 v1(3.825,10.919) ; U17.2@4.578,9.957 4.617,9.996 4.929,9.996 v1(5.331,10.398) R18.2@5.734,10.801
  Int2 (Sign) w0.1: v1(5.331,10.398) 5.753,9.976 6.279,9.976 6.653,10.351 6.653,11.866 7.33,12.544 13.598,12.544 19.473,6.669 v1(21.089,6.669)
  Bottom Layer w0.1: v1(3.825,10.919) 4.346,10.398 v1(5.331,10.398) ; v1(21.089,6.669) 21.147,6.726 21.147,6.901 21.208,6.963 J12.S6@21.9,6.963
NetC62_2: C62.2 J12.S2 R17.2 U17.3 | length 17.9
  Top Layer w0.1: v1@3.73,11.685 C62.2@4.488,11.685
  Top Layer w0.254: U17.3@4.578,10.457 4.521,10.457 4.488,10.49 C62.2@4.488,11.685 5.568,11.685 R17.2@5.734,11.851
  Int2 (Sign) w0.1: v1(3.729,11.686) 4.834,10.58 4.834,9.106 8.857,5.084 8.857,4.503 9.835,3.525 10.125,3.525 11.265,4.665 v1(11.265,5.763)
  Bottom Layer w0.1: v1(11.265,5.763) J12.S2@12.1,5.763
NetD1_2: D1.2 R11.1 | length 1.1
  Bottom Layer w0.1: D1.2@2.725,21.525 2.75,21.55 R11.1@3.85,21.55
NetL1_2: L1.2 U6.4 | length 1.7
  Top Layer w0.2: L1.2@34.04,18.2 34.04,19.92 U6.4@34.05,19.93
NetL2_2: L2.2 U7.20 | length 3
  Top Layer w0.4: L2.2@16.075,33.98 16.84,33.98 17.185,33.635 17.185,33.484 17.419,33.25 U7.20@18.725,33.25
NetL3_1: L3.1 U8.2 | length 2.4
  Top Layer w0.1: U8.2@24.925,32.725 25.015,32.635 25.299,32.635 25.527,32.407 25.527,32.377 26.027,31.877 L3.1@26.027,30.97
NetL3_2: L3.2 U8.4 | length 1.2
  Top Layer w0.1: U8.4@24.925,33.725 25.528,33.725 L3.2@25.932,33.32
NetL4_1: L4.1 U9.5 | length 4.2
  Top Layer w0.3: U9.5@30.55,9.85 30.55,13.3 L4.1@31.1,13.85
NetL5_2: L5.2 U11.43 | length 2.7
  Bottom Layer w0.1: L5.2@9.545,14.774 9.9,15.129 U11.43@9.9,17.375
NetR1_1: R1.1 R2.2 U6.7 | length 2
  Top Layer w0.254: U6.7@35.05,21.87 35.803,21.87 35.835,21.902 35.952,21.902 36.1,22.05 R2.2@36.1,21.125
NetR1_2: R1.2 U6.8 | length 2.3
  Top Layer w0.1: U6.8@34.55,21.87 34.625,21.945 34.625,22.266 35.46,23.1 R1.2@36.15,23.1
NetR3_1: R3.1 R5.2 U7.10 | length 3
  Top Layer w0.1: R3.1@20.9,28.875 20.725,29.05 20.725,29.994 20.794,29.925 R5.2@22.475,29.925
NetR3_2: R3.2 R4.2 U7.8 | length 4.2
  Top Layer w0.1: U7.8@19.725,30 19.725,29.1 R4.2@19.95,28.875 19.95,28.775 20.25,28.475 20.341,28.475 20.4,28.416 20.4,28.363 20.488,28.275 21.7,28.275 21.9,28.475 22,28.475 22.3,28.775 R3.2@22.3,28.875
NetR4_1: R4.1 R6.2 U7.7 | length 2.5
  Top Layer w0.1: R6.2@17.525,28.875 R4.1@18.55,28.875 18.55,28.975 18.85,29.275 18.95,29.275 19.218,29.543 19.218,29.993 U7.7@19.225,30
NetR5_1: R5.1 R7.2 U7.11 | length 2.7
  Top Layer w0.1: U7.11@21.35,30.625 21.369,30.644 21.794,30.644 22.075,30.925 22.075,31.025 22.375,31.325 R5.1@22.475,31.325 23.65,31.325 R7.2@23.675,31.3
NetR8_2: R8.2 U10.4 | length 1.2
  Top Layer w0.1: R8.2@29.625,25.975 29.725,25.975 30.025,26.275 30.025,26.375 30.15,26.5 U10.4@30.595,26.5
NetR9_1: R9.1 U10.9 | length 2
  Top Layer w0.1: U10.9@33.395,27.5 33.972,27.5 34.675,26.797 R9.1@34.675,26.325
NetR12_2: R12.2 U11.5 | length 3.4
  Bottom Layer w0.1: U11.5@8.3,25.025 8.3,25.566 8.554,25.82 8.668,25.82 8.873,26.025 8.873,26.222 9.08,26.429 9.929,26.429 R12.2@10.489,26.989
NetR14_2: R14.2 U15.30 | length 2.2
  Top Layer w0.1: R14.2@6.675,21.45 8.844,21.45 U15.30@8.875,21.419
NetR15_1: R15.1 U15.34 | length 2.3
  Top Layer w0.1: R15.1@6.675,16.95 6.826,17.101 8.793,17.101 U15.34@8.875,17.019
NetR16_2: R16.2 U15.29 | length 2.2
  Top Layer w0.1: R16.2@6.675,22.519 U15.29@8.875,22.519
NetR17_1: R17.1 U15.39 | length 2.7
  Top Layer w0.1: R17.1@6.534,11.851 7.465,10.919 U15.39@8.875,10.919
NetR18_1: R18.1 U15.40 | length 2.7
  Top Layer w0.1: R18.1@6.534,10.801 6.685,10.649 6.844,10.649 7.584,9.909 8.785,9.909 U15.40@8.875,9.819
NetR19_1: R19.1 U15.41 | length 3
  Top Layer w0.1: R19.1@6.534,9.682 6.534,9.285 7.1,8.719 U15.41@8.875,8.719
NetU11_31: U11.31 U13.5 | length 4.2
  Bottom Layer w0.1: U11.31@13.725,19.2 14.668,19.2 14.778,19.09 17.302,19.09 U13.5@17.7,19.488
NetU12_1: U12.1 U13.1 | length 3.1
  Bottom Layer w0.1: U12.1@17.67,23.778 17.67,20.692 U13.1@17.7,20.662
OSC32_IN: C37.2 U11.3 Y1.2 | length 4.1
  Bottom Layer w0.1: U11.3@7.5,25.025 7.5,26.525 7.663,26.688 7.875,26.688 8.175,26.988 Y1.2@8.175,27.2 ; Y1.2@7.975,27.389 7.975,28.585 C37.2@8.175,28.785
OSC32_OUT: C38.1 U11.4 Y1.1 | length 4.8
  Bottom Layer w0.1: U11.4@7.85,25.075 U11.4@7.9,25.025 7.9,25.7 7.85,25.75 7.85,26.069 8.319,26.539 8.412,26.539 8.5,26.627 8.5,26.739 8.959,27.197 9.234,27.197 Y1.1@9.425,27.389 9.425,28.535 C38.1@9.675,28.785
OSC_IN: C40.2 U11.35 Y2.1 | length 3.6
  Bottom Layer w0.1: U11.35@13.1,17.375 13.1,16.122 Y2.1@12.989,16.012 13.039,16.012 13.239,15.812 13.239,15.762 13.543,15.458 13.543,15.162 13.459,15.078 13.459,14.774 13.361,14.676 13.361,14.455 C40.2@13.179,14.274
OSC_OUT: C41.2 U11.34 Y2.3 | length 4.5
  Bottom Layer w0.1: U11.34@13.725,18 13.725,17.212 14.648,16.289 14.648,15.72 14.339,15.412 14.339,15.362 14.139,15.162 Y2.3@14.089,15.162 14.089,14.447 C41.2@14.286,14.25
PPG_INT: U2.13 U11.66 U14.2 U14.13 | length 38.9
  Top Layer w0.1: v1(5.45,23.9) 5.507,23.957 5.507,24.189 5.681,24.362 9.519,24.362 10.65,25.493 10.65,25.748 10.952,26.05 11.242,26.05 13.757,23.535 14.324,23.535 15.043,22.816 15.043,22.638 15.763,21.919 16.487,21.919 16.944,21.462 16.944,20.725 17.944,19.725 19.393,19.725 20.363,20.694 20.363,20.913 v1(20.401,20.951)
  Int2 (Sign) w0.1: v1(5.45,23.9) 5.507,23.957 5.507,24.189 5.552,24.233 5.552,30.037 8.982,33.468 9.19,33.468 v1(9.234,33.511) 12.661,33.511 v1(13.325,34.175)
  Bottom Layer w0.1: v1(5.45,23.9) 5.513,23.9 5.688,23.725 5.75,23.725 5.875,23.6 U11.66@6.075,23.6 ; v1(9.234,33.511) 9.248,33.525 U14.13@9.875,33.525 ; v1(13.325,34.175) 13.366,34.175 13.6,33.941 U14.2@13.6,33.525 ; v1(20.401,20.951) 20.852,20.5 U2.13@21.339,20.5
R\S\T\: C34.2 J1.4 R10.1 SW1.1 U11.8 | length 33.2
  Top Layer w0.1: v1(4.622,20.169) 4.622,20.733 4.82,20.931 4.82,21.607 5.119,21.905 5.119,22.146 5.331,22.358 5.331,22.595 4.8,23.126 4.8,24.047 5.682,24.929 6.337,24.929 6.357,24.95 8.77,24.95 v1(9.453,25.633)
  Int2 (Sign) w0.1: v1(4.622,20.169) 4.622,18.418 3.154,16.95 3.133,16.95 3.019,16.835 2.49,16.835 2.175,16.52 2.175,16.419 2.025,16.269 2.025,14.435 v1(6.134,10.326)
  Bottom Layer w0.1: J1.4@1.5,19.34 1.506,19.346 1.506,19.831 2.475,20.8 3.991,20.8 v1(4.622,20.169) ; SW1.1@4.952,8.923 5.625,8.25 R10.1@5.625,7.575 6.37,7.575 6.42,7.625 6.44,7.625 6.75,7.935 C34.2@6.75,7.955 6.75,9.946 6.37,10.326 v1(6.134,10.326) ; v1(9.453,25.633) 9.475,25.611 9.475,25.05 U11.8@9.5,25.025
RESET: U11.20 U15.15 | length 15.9
  Top Layer w0.1: v1(15.612,24.4) 16.072,24.4 16.08,24.392 16.703,24.392 17.317,23.778 22.373,23.778 23.632,22.519 U15.15@28.475,22.519
  Bottom Layer w0.1: U11.20@13.725,23.6 14.805,23.6 15.605,24.4 v1(15.612,24.4)
RI_INT: R15.2 U11.19 | length 40.2
  Top Layer w0.1: R15.2@5.775,16.95 v1(5.775,17.55) ; v1(14.964,24.4) 15.019,24.455 15.204,24.455 15.262,24.514 15.262,24.545 15.468,24.75 15.747,24.75 16.088,25.092 16.721,25.092 17.668,24.145 22.557,24.145 v1(23.65,23.052)
  Int2 (Sign) w0.1: v1(5.775,17.55) 5.775,15.789 6,15.564 16.271,15.564 v1(17.138,16.431)
  Bottom Layer w0.1: U11.19@13.725,24 14.564,24 v1(14.964,24.4) ; v1(17.138,16.431) 17.848,15.72 21.325,15.72 22.025,16.421 22.025,19 21.675,19.35 20.875,19.35 20.675,19.55 20.675,19.825 20.9,20.05 21.651,20.05 21.864,20.263 21.864,20.289 23.275,21.7 23.275,22.677 v1(23.65,23.052)
RXD: R16.1 U11.24 | length 20.5
  Top Layer w0.1: v1(5.144,20.68) 5.144,21.648 5.319,21.823 5.319,22.063 R16.1@5.775,22.519
  Int2 (Sign) w0.1: v1(5.144,20.68) 5.474,20.68 6.737,19.417 6.737,16.769 7.356,16.15 11.394,16.15 15.235,19.991 15.235,21.496 v1(14.68,22.051)
  Bottom Layer w0.1: U11.24@13.725,22 13.75,22.025 14.655,22.025 v1(14.68,22.051)
SWCLK: J1.1 U11.56 | length 8.7
  Int2 (Sign) w0.1: v1(3.504,15.529) 3.504,15.925 5.8,18.222 5.8,19.098 v1(5.038,19.86)
  Bottom Layer w0.1: J1.1@1.5,15.53 v1@3.503,15.53 ; v1(5.038,19.86) 5.052,19.846 5.455,19.846 5.659,19.642 6.033,19.642 U11.56@6.075,19.6
SWDIO: J1.2 U11.54 | length 5.4
  Int2 (Sign) w0.1: v1(3.522,16.801) 5.121,18.4 v1(5.45,18.4)
  Bottom Layer w0.1: J1.2@1.5,16.8 3.521,16.8 v1(3.522,16.801) ; v1(5.45,18.4) 5.45,18.437 5.688,18.675 5.75,18.675 5.875,18.8 U11.54@6.075,18.8
SWO: J1.3 U11.63 | length 9.4
  Int2 (Sign) w0.1: v1(3.504,18.121) 3.504,20.604 4.288,21.389 4.565,21.389 5.35,22.174 5.35,23.169 v1(5.319,23.2)
  Bottom Layer w0.1: J1.3@1.5,18.07 3.453,18.07 v1(3.504,18.121) ; v1(5.319,23.2) 5.6,22.919 5.6,22.509 5.709,22.4 U11.63@6.075,22.4
TXD: R14.1 U11.51 | length 5
  Top Layer w0.1: v1(5.46,20.2) 5.517,20.257 5.672,20.257 5.775,20.36 R14.1@5.775,21.45
  Int2 (Sign) w0.1: v1(5.46,20.2) 6.357,19.302 v1(6.357,17.522)
  Bottom Layer w0.1: v1(6.357,17.522) 6.625,17.522 6.7,17.447 U11.51@6.7,17.375
USIM_VDD: C59.2 J12.S1 U15.38 U17.6 | length 22.4
  Top Layer w0.1: v1(2.55,9.996) 2.55,9.819 2.846,9.523 3.131,9.523 U17.6@3.198,9.457 ; v1(7.475,12.194) 7.584,12.085 8.809,12.085 U15.38@8.875,12.019
  Int2 (Sign) w0.1: v1(7.475,12.194) 6.853,11.571 6.853,10.248 5.649,9.044 5.649,8.574 9.98,4.244 v1(9.98,3.875)
  Bottom Layer w0.1: v1(2.55,9.996) 2.55,10.355 3.522,11.327 6.609,11.327 v1(7.475,12.194) ; v1(9.98,3.875) C59.2@9.98,4.757 11.906,4.757 J12.S1@12.1,4.563
Vbat: C20.2 C26.2 C30.2 C32.2 L1.1 U6.3 U6.5 U6.6 U7.18 U8.5 U9.1 U9.3 U10.10 X3.1 | length 43.2
  Top Layer w0.1: U7.18@19.725,33.25 19.725,33.484 19.835,33.594 19.844,33.594 20.025,33.775 20.086,33.775 20.111,33.8 20.308,33.8 20.526,34.018 v1(20.526,34.177) ; X3.1@29.625,29.815 29.625,29.224 28.776,28.375 27.836,28.375 27.415,27.954 27.415,25.919 26.876,25.38 26.876,23.57 27.125,23.321 27.125,23.292 27.365,23.052 29.619,23.052 29.825,22.846 29.825,22.558 30.025,22.358
  Top Layer w0.2: U8.5@24.925,34.225 C26.2@24.925,35.425 24.955,35.455 v1(25.725,35.455) ; X3.1@29.625,29.815 29.96,29.48 30.215,29.48 30.595,29.1 31.421,29.1 31.641,29.32 C32.2@31.995,29.32 31.924,29.249 31.924,28.896 32.195,28.625 32.195,28.554 32.442,28.308 32.912,28.308 33.195,28.025 33.37,28.025 U10.10@33.395,28 ; 30.025,22.358 30.025,18.298 30.801,17.522 31.797,17.522 32.417,18.142 32.767,18.142 C20.2@32.925,18.3 ; U9.1@30.55,7.45 30.775,7.675 30.775,8.027 31.523,8.775 v1(32.527,8.775) 32.527,7.527 U9.3@32.45,7.45 32.238,7.238 32.238,6.763 31.248,5.773 30.929,5.773 C30.2@30.801,5.901 ; U6.3@33.55,19.93 33.55,19.143 33.375,18.968 33.375,18.842 33.258,18.725 33.15,18.725 32.925,18.5 32.925,18.375 33.008,18.292 33.008,17.592 33.299,17.301 34.711,17.301 35.025,17.615 35.245,17.615 35.61,17.98 L1.1@35.61,18.2 35.61,19.37 35.312,19.668 35.075,19.668 35.05,19.693 U6.6@35.05,19.93 U6.5@34.55,19.93
VSTOR: C21.1 C22.1 U7.3 U7.19 | length 6.3
  Top Layer w0.1: v1(17.771,34.436) C22.1@18.425,34.436 ; C21.1@18.375,35.575 18.425,35.525 C22.1@18.425,34.436 ; C22.1@18.456,34.436 C22.1@18.425,34.436 ; U7.19@19.225,33.25 19.225,33.566 19.156,33.635 19.156,33.644 18.825,33.975 18.725,33.975 18.425,34.275 C22.1@18.425,34.436
  Bottom Layer w0.1: v1(17.685,31.625) 17.685,31.706 17.771,31.793 v1(17.771,34.436)
pads on no net: J1. J12. J12.S5 U2.1 U2.5 U2.6 U2.7 U2.8 U2.14 U4.10 U4.11 U6.1 U6.2 U6.11 U6.12 U7.9 U7.12 U7.13 U7.14 U7.16 U7.17 U10.6 U10.7 U11.2 U11.36 U11.37 U11.38 U11.40 U11.46 U11.48 U11.50 U11.52 U11.53 U11.57 U11.58 U11.59 U11.60 U11.64 U11.65 U11.67 U12. U14.5 U14.6 U14.9 U14.10 U14.11 U14.12 U15.1 U15.3 U15.4 U15.5 U15.6 U15.7 U15.8 U15.9 U15.10 U15.11 U15.12 U15.13 U15.14 U15.16 U15.17 U15.18 U15.19 U15.20 U15.21 U15.22 U15.23 U15.24 U15.25 U15.26 U15.27 U15.28 U15.31 U15.32 U15.33 U15.35 U15.36 U15.37 U15.44 U15.49 U15.50 U15.55 U15.56 U15.57 U15.58 U15.67 U15.68 U15.69 U15.70 U15.75 U15.76 U15.77 U15.78 U15.79 U15.80 U15.84 U15.85 U15.86 U15.87 U15.88 U15.89 U15.90 U15.91 U16. U17.4 U17.5

## Polygon pours and split planes (outlines as drawn)
Vbat on Int4 (PWR) "VBAT_L05_P003" (solid, pour order 3): 19.225,37.1 19.225,34.386 20.487,33.124 24.907,33.124 26.842,31.189 26.842,30.192 21.9,25.25 21.9,12.702 24.247,10.355 29.37,10.355 34.6,5.125 37.6,5.125 38.825,6.35 38.825,29.515 30.39,37.95 20.025,37.95 19.175,37.1
3V3 on Int4 (PWR) "3V3_L05_P005" (solid, pour order 5): -3.9,41.375 41.275,41.375 41.275,-0.825 -3.65,-0.825 -3.65,41.3
GND on Int1 (GND) "GND_L02_P000" (solid, pour order 0): -3.9,41.375 41.275,41.375 41.275,-0.825 -3.65,-0.825 -3.65,41.3
GND on Int3 (GND) "GND_L04_P001" (solid, pour order 1): -3.9,41.375 41.275,41.375 41.275,-0.825 -3.65,-0.825 -3.65,41.3
GND on Int2 (Sign) "GND_L03_P004" (solid, pour order 4): -3.9,41.375 41.275,41.375 41.275,-0.825 -3.65,-0.825 -3.65,41.3
GND on Top Layer "GND_L01_P006" (solid, pour order 6): -3.9,41.375 41.275,41.375 41.275,-0.825 -3.65,-0.825 -3.65,41.3
GND on Bottom Layer "GND_L06_P007" (solid, pour order 7): -3.9,41.375 41.275,41.375 41.275,-0.825 -3.65,-0.825 -3.65,41.3

## Silkscreen, mask and mechanical layers (free items; w line width, h text height)
Top Overlay:
  text "DZ/IIS / D-ITET" at 3.225,13.35 h0.75
  text "ABl" at 9.453,2.05 h0.8
Board:
  the board outline again, w0

## Text inside footprints (layer, text, board x,y; h text height)
J12: Mechanical 1 "Board Edge" at 22,-1.587 h2
U16: Mechanical 1 "Clearance area" at 24.1,22.8 h0.6 r180; Mechanical 1 "Overlap last component's pad of the matching network with the antenna's pad: the component will be half in the clearance area, half out" at 24.2,14.9 h0.3 r270